# Altium PCB Version_2.PcbDoc (part 2 of 6) (continued)
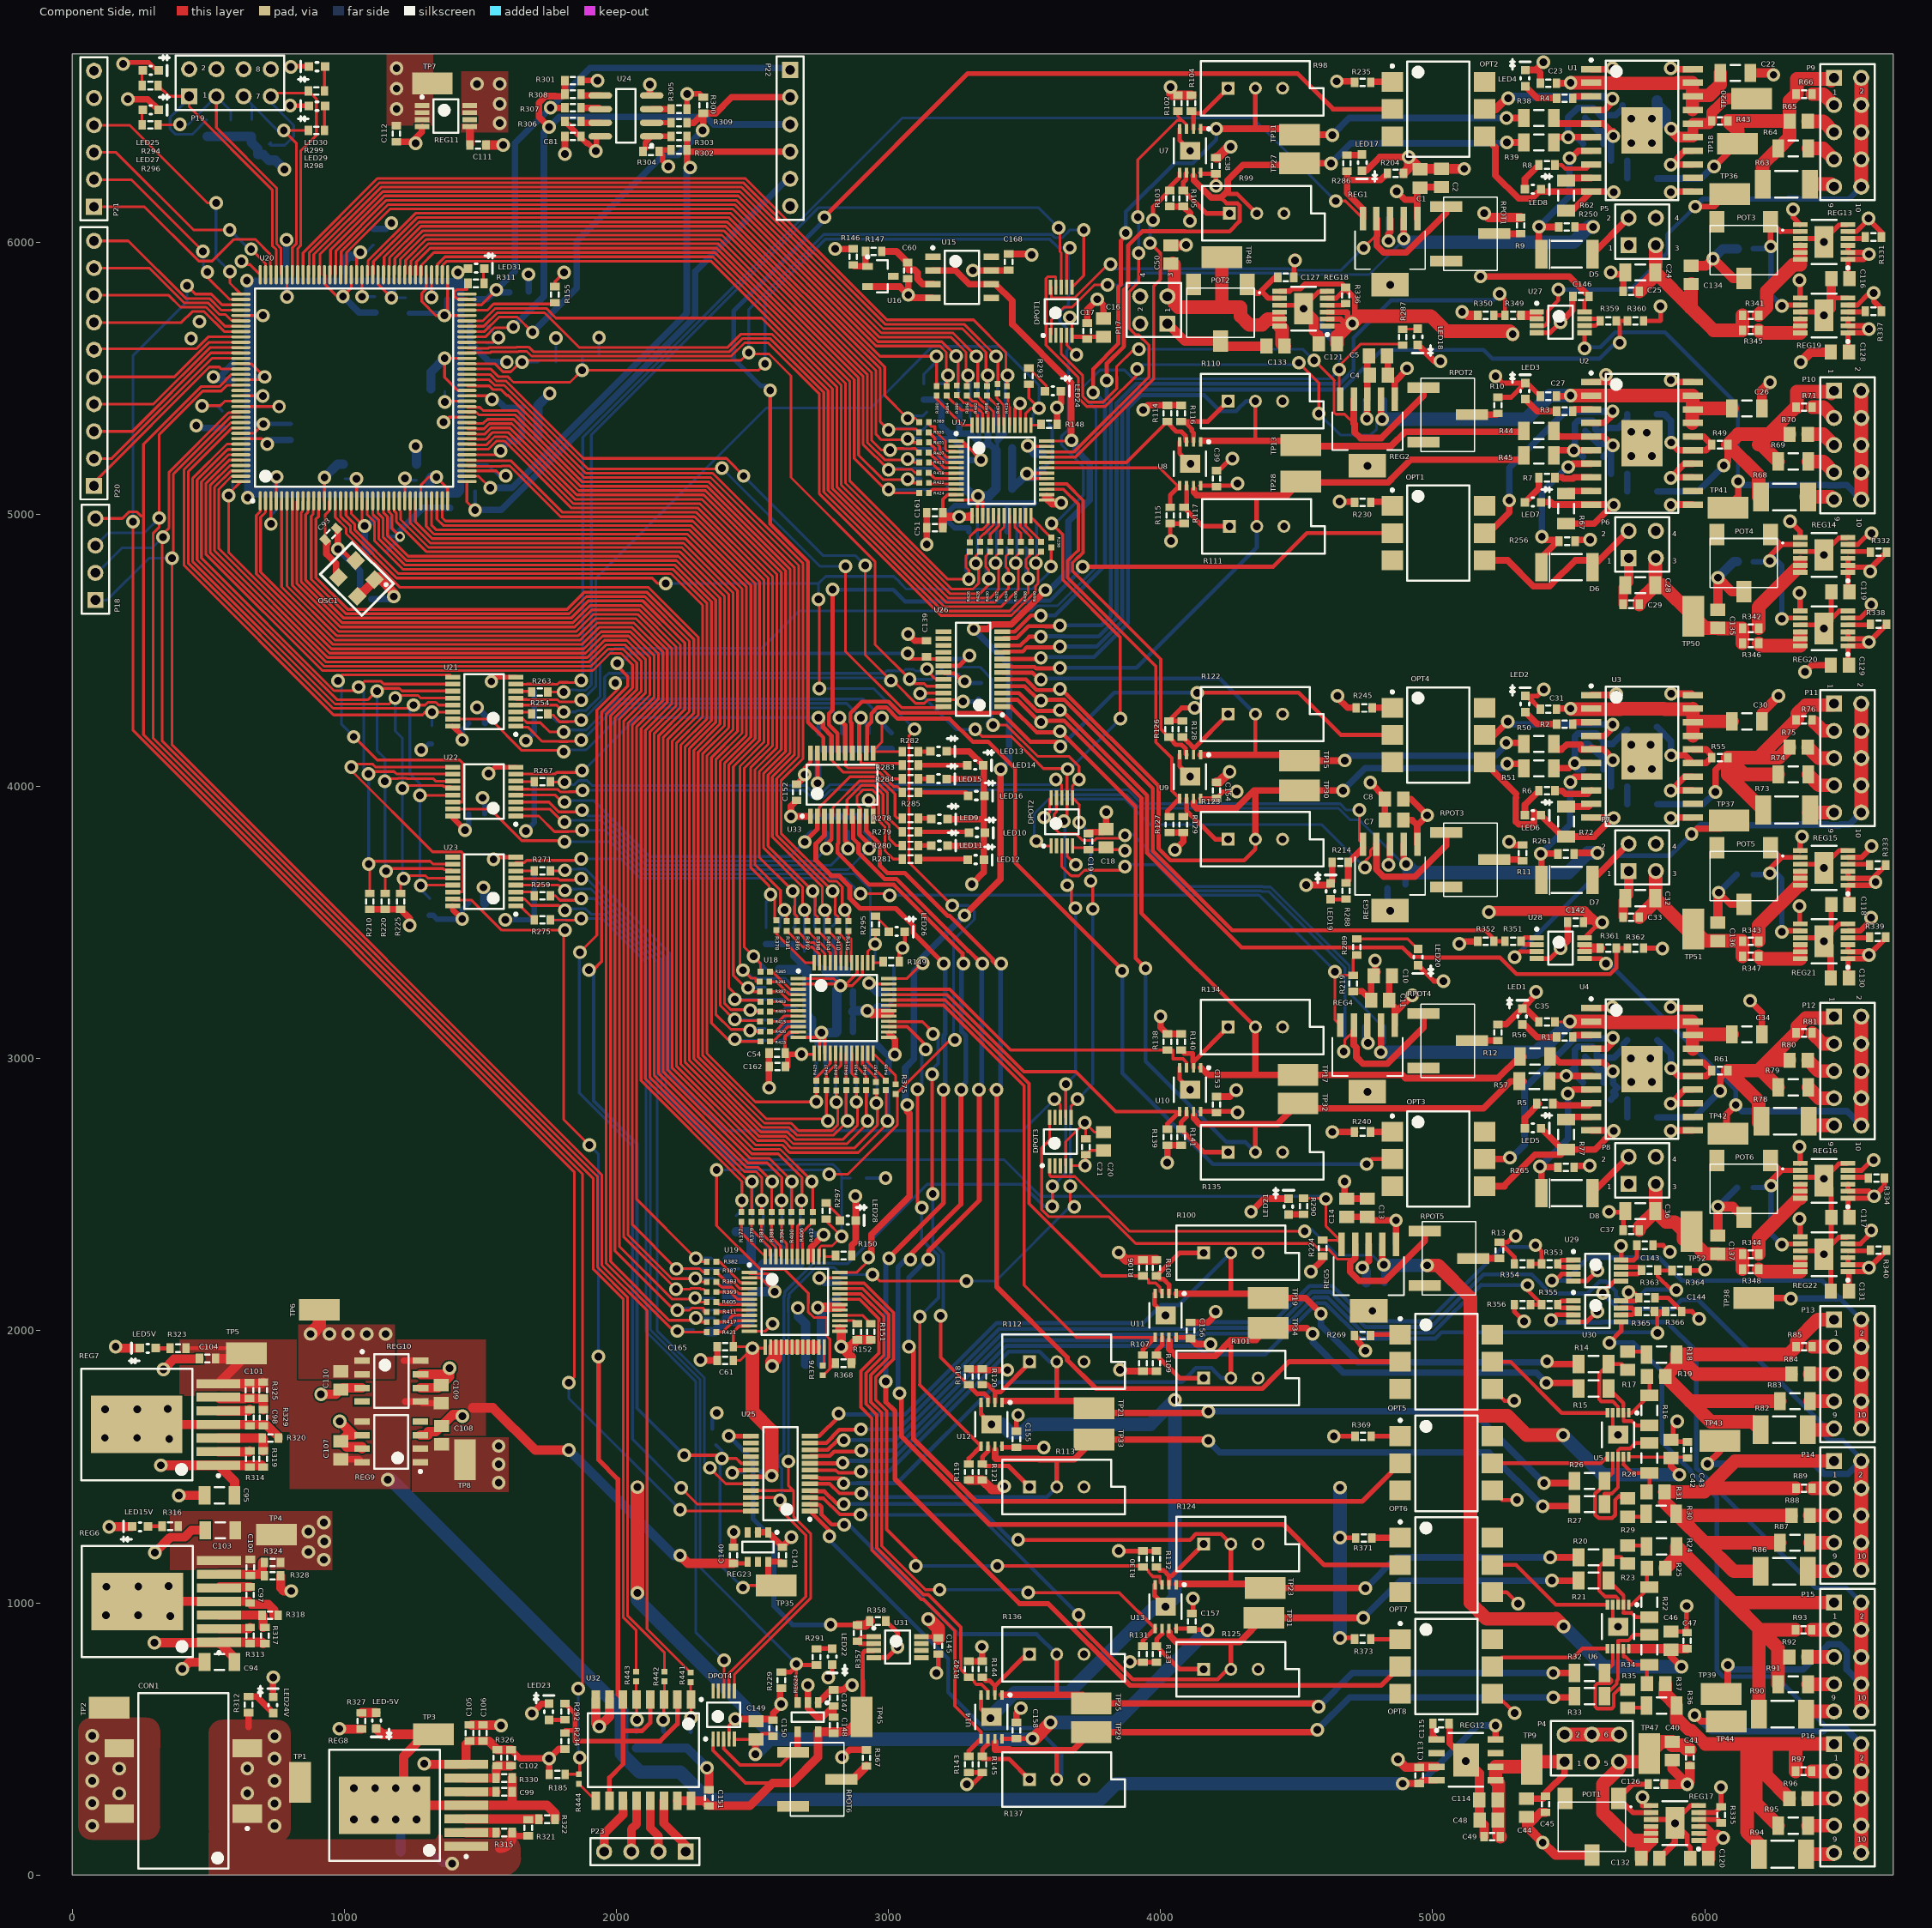
[diagram p0: Component Side view]
## Nets (pads, with @x,y where several pads share a name; then routed paths per layer and width w, separated by ;. In a path a pad name is that pad's centre, name@x,y a point inside that pad or via, vN(x,y) a via of type N, cw(c..) or ccw(c..) an arc to the next point about the centre after c; other vN are vias at no path point) (continued)
  Solder Side w24: C96.2@1317.76,85.96 1362.38,41.34 v1(1396.65,41.34)
  other v1: 743.23,180.33 743.23,262.83 643.23,300.33 743.23,345.33 643.23,391.76 743.23,427.83 743.23,510.33
-5V: C96.1 C99.1 C105.2 C106.2 C116.2 C117.2 C118.2 C119.2 C120.2 C121.2 C128.2 C129.2 C130.2 C131.2 LED-5V.2 R322.2 R330.1 R331.2 R332.2 R333.2 R334.2 R335.2 R336.2 R337.2 R338.2 R339.2 R340.2 REG8.4 REG8.8 REG13.1 REG13.2 REG13.3 REG13.5 REG13.7 REG14.1 REG14.2 REG14.3 REG14.5 REG14.7 REG15.1 REG15.2 REG15.3 REG15.5 REG15.7 REG16.1 REG16.2 REG16.3 REG16.5 REG16.7 REG17.1 REG17.2 REG17.3 REG17.5 REG17.7 REG18.1 REG18.2 REG18.3 REG18.5 REG18.7 REG19.1 REG19.2 REG19.3 REG19.5 REG19.7 REG20.1 REG20.2 REG20.3 REG20.5 REG20.7 REG21.1 REG21.2 REG21.3 REG21.5 REG21.7 REG22.1 REG22.2 REG22.3 REG22.5 REG22.7 TP3.1 | length 8431
  Component Side w18: REG18.5@4612.84,5794.35 4645.74,5794.35 R336.2@4680.12,5828.73 ; REG21.7@6348.55,3497.34 v1(6348.55,3560.96) ; REG22.5@6526.14,2319.35 6571.93,2319.35 v1@6612.2,2359.62 ; REG16.5@6526.14,2589.35 6576.99,2589.35 v1@6614.61,2626.97 ; REG20.5@6526.14,4619.35 6571.93,4619.35 v1@6612.2,4659.62 ; REG14.5@6526.14,4889.35 6562.6,4889.35 v1@6603.37,4930.12 ; REG19.5@6526.14,5769.35 6560.69,5769.35 v1@6604.33,5812.99 ; REG13.5@6526.14,6039.35 6558.18,6039.35 v1@6602.36,6083.53
  Component Side w19: v1(5770.67,285.43) 5770.67,255.53 5771.26,254.94 REG17.7@5802.64,254.94 ; REG17.2@5977.84,152.58 6033.62,152.58 ; REG17.3@5977.84,178.17 6008.03,178.17 6033.62,152.58 ; REG17.5@5977.84,229.35 6039.1,229.35 R335.2@6060.24,250.49 6060.24,321.65 v1(6060.04,321.85) ; v1@6045.24,140.96 6033.62,152.58
  Component Side w20: REG18.7@4437.64,5820.35 4474.28,5820.35 4483.96,5830.03 4514.76,5830.03 4531.19,5846.46 4667.32,5846.46 R336.2@4680.12,5833.66 4680.12,5828.73 4713.83,5795.01 v1@4713.83,5710.88 ; REG18.1@4612.84,5691.99 4686.95,5691.99 4661.36,5717.58 REG18.2@4612.84,5717.58 ; REG18.3@4612.84,5743.17 4685.97,5743.17 4686.95,5742.18 v1@4686.95,5701.77 ; v1(6313.98,4974.41) 6350.95,4937.44 REG14.7@6350.95,4923.23 ; v1(6324.8,6121.06) 6324.8,6091.08 REG13.7@6350.95,6064.94 ; REG22.7@6350.95,2344.94 v1@6350.95,2408.56 ; REG16.7@6350.95,2614.94 v1@6350.95,2673.56 ; REG15.7@6350.95,3764.94 v1@6350.95,3823.56 ; REG20.7@6350.95,4644.94 v1@6350.95,4708.56 ; REG19.7@6350.95,5794.94 v1@6350.95,5858.56 ; REG22.1@6526.14,2216.99 v1@6589.57,2216.99 ; REG22.3@6526.14,2268.17 REG22.2@6526.14,2242.58 6591.93,2242.58 v1(6603.55,2230.96) 6668.07,2295.49 R340.2@6668.07,2295.96 ; C117.2@6526.14,2421.83 REG16.1@6526.14,2486.99 v1@6615.92,2486.99 ; REG16.3@6526.14,2538.17 REG16.2@6526.14,2512.58 6604.55,2512.58 v1(6623.03,2494.09) 6660.43,2531.5 R334.2@6660.43,2561.02 ; C130.2@6526.14,3299.9 REG21.1@6526.14,3366.99 v1@6589.57,3366.99 ; REG21.3@6526.14,3418.17 REG21.2@6526.14,3392.58 v1@6591.93,3392.58 ; REG21.5@6526.14,3469.35 6571.93,3469.35 6611.22,3508.64 v1(6611.22,3517.72) ; C118.2@6526.14,3571.83 REG15.1@6526.14,3636.99 6616.32,3636.99 v1(6627.95,3648.62) ; REG15.3@6526.14,3687.76 REG15.2@6526.14,3662.58 6614,3662.58 v1(6627.95,3648.62) ; REG15.5@6526.14,3739.35 6576.93,3739.35 6613.19,3775.61 v1(6613.19,3781.5) ; C129.2@6526.14,4449.9 REG20.1@6526.14,4516.99 v1@6589.57,4516.99 ; REG20.3@6526.14,4568.17 REG20.2@6526.14,4542.58 v1@6591.93,4542.58 ; C119.2@6526.14,4721.83 REG14.2@6526.14,4812.58 ; REG14.3@6526.14,4838.17 REG14.2@6526.14,4812.58 ; C128.2@6526.14,5599.9 REG19.1@6526.14,5666.99 v1@6589.57,5666.99 ; REG19.3@6526.14,5718.17 REG19.2@6526.14,5692.58 v1@6591.93,5692.58 ; C116.2@6526.14,5871.83 REG13.1@6526.14,5936.99 6584.57,5936.99 ; REG13.3@6526.14,5988.17 REG13.2@6526.14,5962.58 v1@6596.93,5962.58 ; C131.2@6530.08,2145.96 REG22.1@6530.08,2213.05 ; v1@6602.36,6083.53 6649.61,6036.28 R331.2@6649.61,6018.7 ; v1@6603.37,4930.12 v1(6613.19,4930.12) ; v1(6603.55,3380.96) 6665.35,3442.77 R339.2@6665.35,3445.87 ; v1(6603.55,4530.96) 6668.07,4595.49 R338.2@6668.07,4595.96 ; v1@6612.2,2359.62 v1(6612.2,2369.09) ; v1@6612.2,4659.62 v1(6612.2,4669.29) ; v1(6621.06,5812.99) 6621.06,5783.44 6649.61,5754.9 R337.2@6649.61,5745.96 ; R333.2@6665.35,3710.63 6610.69,3655.96 6618.03,3648.62 v1(6627.95,3648.62) ; R332.2@6668.07,4860.96 6613.07,4805.96 6532.76,4805.96 REG14.2@6526.14,4812.58
  Component Side w35: LED-5V.2@1117.64,537.89 1138.59,516.95 TP3.1@1327.64,516.95 1298.44,516.95 1217.52,436.02 1217.52,325.84 REG8.8@1147.64,255.96 1745.02,255.96 1774.61,226.38 R322.2@1774.61,204.72 ; C105.2@1467.64,550.49 v1@1572.17,550.49 ; 1617.17,257.89 R330.1@1617.17,355.96
  Component Side w50: C121.2@4648.7,5625.96 4648.7,5653.74 v1@4686.95,5691.99 ; v1(4704.72,5701.77) 4713.83,5710.88 4731.64,5728.69 4992.79,5728.69 5048.14,5673.35 5283.35,5673.35 v1(5294.29,5662.4) ; C120.2@6013.7,60.96 6013.7,109.43 v1@6045.24,140.96
  Power w50: v1(5294.29,5662.4) 5307.21,5649.48 5518.12,5649.48 5576.2,5707.56 6283.58,5707.56
  Solder Side w35: C96.1@1207.52,85.96 1207.52,184.84
  other v1: 6067.91,135.83 1035.58,203.44 1112.25,203.44 1188.92,203.44 1265.58,203.44 1035.58,318.44 1113.19,318.44 1188.92,318.44 1265.58,318.44 1575.79,549.21 6348.55,2410.96 6621.06,2626.97 6348.55,2675.96 6357.59,3816.13 6348.55,4710.96 6608.27,4790.35 6603.55,5680.96 6348.55,5860.96 6603.55,5955.96 6602.36,6087.6
A1V: C44.2 C45.2 C48.2 C49.2 C114.1 P4.1 REG12.5 REG12.6 TP9.1 | length 746.9
  Component Side w24: C44.2@5345.24,280.33 5406.38,280.33 C45.2@5415.24,289.19 5415.24,302.24 5451.8,338.8 5453.21,338.8 5485.24,370.83 P4.1@5485.24,415.96
  Component Side w50: REG12.6@5231.14,388.78 REG12.5@5231.14,347.65 5242.13,336.67 5242.13,147.3 C49.2@5248.47,140.96 ; REG12.6@5231.14,397.65 5355.95,397.65 TP9.1@5364.25,405.96 5374.25,415.96 P4.1@5485.24,415.96
A3V3: C16.2 C17.2 C18.2 C19.2 C20.2 C21.2 C38.1 C39.1 C108.1 C149.2 C150.2 C153.1 C154.1 C155.1 C156.1 C157.1 C158.1 DPOT1.5 DPOT2.5 DPOT3.5 DPOT4.5 R230.1 R235.1 R240.1 R245.1 R269.1 R369.1 R371.1 R373.1 REG9.1 REG9.2 TP8.1 U7.8 U8.8 U9.8 U10.8 U11.8 U12.8 U13.8 U14.8 | length 5879.2
  Component Side w10: DPOT3.5@3671.38,2606.4 3722.34,2606.4 v1(3722.44,2606.3) 3725.24,2609.1 C21.2@3725.24,2646.43 3741.3,2662.5 C20.2@3790.24,2662.5 ; DPOT1.5@3674.61,5657.38 v1@3674.61,5723.09 ; DPOT2.5@3676.38,3781.4 3683.17,3774.61 3728.25,3774.61 C19.2@3735.24,3767.62 v1@3868.99,3767.62
  Component Side w12: DPOT4.5@2433.9,499.69 2435.56,498.03 C149.2@2512.8,498.03 2534.45,519.68 C150.2@2575.79,519.68
  Component Side w15: 3681.12,5652.46 C16.2@3790.24,5652.46
  Component Side w17: U14.8@3416.93,500.47 C158.1@3469.27,500.47 ; U12.8@3416.93,1575.47 3420.97,1571.43 C155.1@3470.24,1571.43 3570.55,1571.43 v1(3571.04,1570.94) v1@3570.96,1570.87 ; C158.1@3470.24,501.43 3529.08,501.43 v1(3529.53,500.98) ; U13.8@4056.93,905.47 C157.1@4111.2,905.47 ; U11.8@4056.93,1975.47 C156.1@4106.2,1975.47 ; C157.1@4115.24,901.43 4170.42,901.43 v1(4172.24,899.61) ; U10.8@4146.93,2805.47 4279.18,2805.47 v1(4282.48,2802.17) ; U9.8@4146.93,3955.47 4204.27,3955.47 4230.1,3981.3 v1(4279.53,3981.3) ; U8.8@4146.93,5105.47 4278.7,5105.47 4282.69,5109.46 v1(4282.69,5113.44) ; U7.8@4146.93,6255.47 4150.65,6251.75 C38.1@4203.54,6251.75 v1(4203.54,6206.89) ; v1(4636.81,1612.2) 4637.23,1612.63 R369.1@4715.71,1612.63 ; v1(4659.45,871.06) R373.1@4710.61,871.06 ; v1(4659.45,1240.16) 4660.31,1239.3 R371.1@4715.71,1239.3
  Component Side w24: v1(2510.83,443.9) C149.2@2510.83,496.06 ; C156.1@4106.2,1975.47 4130.79,1950.88 v1(4183.27,1950.88) ; v1(4630.91,2730.32) 4631.55,2730.96 R240.1@4715.71,2730.96 ; v1(4647.64,6591.54) 4712.07,6591.54 4715.02,6588.58 R235.1@4715.71,6589.27 ; v1(4649.83,4332.89) 4649.83,4326.54 4687.11,4289.27 R245.1@4715.71,4289.27 ; v1(4658.46,5047.24) 4659.75,5045.96 R230.1@4715.71,5045.96 ; R269.1@4712.6,1982.28 v1(4752.95,1926.18)
  Component Side w50: v1(2076.77,1036.42) v1(2076.77,1425.2) ; v1(3529.53,500.98) 3536.42,500.98 v1(3595.47,560.04)
  Solder Side w50: v1(2076.77,1036.42) 2076.77,1012.27 2493.01,596.03 2577.98,511.05 2565.89,498.96 ; v1(2510.83,443.9) 2565.89,498.96 ; v1(3529.53,500.98) 3527.51,498.96 2565.89,498.96 ; v1(3595.47,560.04) 3832.68,560.04 v1(4172.24,899.61) ; v1(4659.45,871.06) v1(4659.45,1240.16) v1(4659.45,1423.23)
  other v1: 1567.36,1441.32 1567.36,1508.82 1567.36,1576.32 3868.99,3763.38 3666.34,5724.41
ADJ: DPOT4.3 REG24.4 RPOT6.1 | length 417
  Component Side w12: DPOT4.3@2394.53,499.69 2394.53,463.91 2453.91,404.53 2602.77,404.53 RPOT6.1@2649.61,451.37
  Component Side w24: RPOT6.1@2649.61,451.37 2666.34,468.09 REG24.4@2666.34,526.57
BYP: C115.1 REG12.1 | length 64.1
  Component Side w24: C115.1@5000.71,555.96 5000.71,511.55 REG12.1@5014.61,497.65
CCLK: P22.1 R156.2 R157.2 R307.1 U20.70 | length 1993.6
  Component Side w10: U20.70@1450.67,5770.12 1504.16,5770.12 v1(1559.13,5825.09)
  Component Side w24: v1(1757.87,6494.09) 1757.93,6494.04 R307.1@1810.67,6494.04
  Solder Side w24: R156.2@1482.6,5791.06 1525.11,5791.06 v1(1559.13,5825.09) 1627.63,5893.59 1627.63,6363.85 v1(1757.87,6494.09) 1903.54,6639.76 2612.21,6639.76 P22.1@2622.05,6649.61 ; v1@1568.27,5815.95 R157.2@1607.28,5815.95
CLK: R238.2 R368.1 R375.2 R376.2 U20.16 | length 7268.5
  Component Side w10: U20.16@986.1,5049.65 986.1,4993.22 1022.83,4956.49 1022.83,4935.38 1192.54,4765.67 2131.72,4765.67 2151.1,4746.29 v1(2181.21,4746.29) ; v1(2368.11,2590.55) 2368.11,2386.02 2528.44,2225.69 2617.81,2225.69 2705.71,2137.8 2705.71,2101.08 2704.29,2099.66 2704.29,2069.84 2725.38,2048.75 2773.02,2048.75 2773.97,2047.8 2773.97,1979.17 2784.45,1968.69 2784.45,1860.24 ; v1(2742.26,4687.24) 2746.06,4683.43 v1(2746.06,4359.25) ; R376.2@2760.82,1836.61 2784.45,1860.24 ; v1(2781.66,2574.93) 2851.12,2574.93 3032.24,2756.05 R375.2@3032.24,2870.08 ; R368.1@2805.12,1880.91 2784.45,1860.24 ; R375.2@3026.57,2870.08 3028.35,2870.08 3226.34,3068.06 v1(3244.25,3068.06) ; v1(3095.62,4210.84) 3095.62,4207.83 3075.49,4187.69 3075.49,3720.35 3233.27,3562.57 v1(3234.67,3562.57) ; v1@3597.62,4826.79 v1(3597.62,4808.31) 3597.62,4878.13 R238.2@3598.24,4878.75
  Solder Side w10: v1(2181.21,4746.29) 2743.4,4746.29 2769.33,4772.22 3019.83,4772.22 3040.92,4751.13 3040.92,4749.72 3065.21,4725.43 3528.58,4725.43 3599.24,4796.09 3599.24,4803.32 v1@3600.39,4802.17 ; v1(2368.11,2590.55) 2765.75,2590.55 2779.66,2576.64 2779.66,2574.93 v1(2781.66,2574.93) ; v1(2742.26,4687.24) 2742.26,4745.15 ; v1(2746.06,4359.25) 2947.21,4359.25 v1(3095.62,4210.84) ; v1(3234.67,3562.57) 3294.44,3562.57 3315.53,3541.49 3315.53,3511.66 3238.86,3434.99 3238.86,3073.46 v1(3244.25,3068.06)
COMP1: C57.1 U17.35 | length 128.7
  Component Side w10: v1@3518.82,5249.54 U17.35@3581.58,5249.54
  Solder Side w35: v1(3511.81,5251.97) 3535.71,5228.07 3535.71,5225.49 C57.1@3565.24,5225.49
COMP2: C58.1 U18.35 | length 137.6
  Component Side w10: v1@2938.82,3274.54 U18.35@3001.58,3274.54
  Solder Side w35: v1(2928.64,3277.56) 2960.71,3245.49 C58.1@2990.24,3245.49
COMP3: C59.1 U19.35 | length 165.8
  Component Side w10: v1(2745.21,2194) 2745.21,2195.39 2751.59,2201.77 2758.82,2194.54 U19.35@2821.58,2194.54
  Solder Side w24: v1(2745.21,2194) 2764.02,2175.2 C59.1@2819.88,2175.2
CONFIG1: P19.1 R166.1 R294.1 U20.105 | length 1246.8
  Component Side w10: R294.1@315.87,6575.96 355.87,6535.96 P19.1@429.77,6535.96 429.77,6498.39 735.4,6192.76 735.4,5987.32 749.88,5972.84 U20.105@749.88,5880.35
  Solder Side w10: P19.1@429.77,6535.96 429.77,6514.13 422.24,6521.65 359.7,6459.11 359.7,6416.92 380.21,6396.42 440.71,6396.42 R166.1@494.09,6449.8
CONFIG2: P19.3 R171.1 R296.1 U20.104 | length 1137.6
  Component Side w10: R296.1@315.87,6430.96 403.4,6430.96 401.95,6432.42 v1(395.7,6432.42) ; P19.3@529.77,6535.96 529.77,6421.02 751.4,6199.39 751.4,5993.95 766.79,5978.56 766.79,5883.13 U20.104@769.57,5880.35
  Solder Side w10: v1(395.7,6432.42) 424.22,6432.42 425.22,6431.42 P19.3@529.77,6535.96 582.68,6483.05 R171.1@582.68,6448.82
CONFIG3: P19.5 R176.1 R298.1 U20.102 | length 902.3
  Component Side w10: U20.102@808.94,5880.35 808.94,5979.48 823.4,5993.95 823.4,6364.59 v1(777.56,6410.43) 777.03,6410.96 R298.1@868.27,6410.96
  Solder Side w10: P19.5@629.77,6535.96 660.43,6505.3 ; R176.1@660.43,6449.8 660.43,6505.3 ; v1(777.56,6410.43) 755.29,6410.43 660.43,6505.3
CONFIG4: P19.7 R181.1 R299.1 U20.101 | length 1154.8
  Component Side w10: P19.7@729.77,6535.96 742.03,6548.23 876.01,6548.23 896.99,6527.25 896.99,6392.63 839.4,6335.04 839.4,5987.32 828.62,5976.54 U20.101@828.62,5880.35
  Solder Side w10: R181.1@723.42,6360.24 729.77,6366.58 729.77,6356.3 781.5,6356.3 813.56,6388.36 813.56,6429.67 729.77,6513.46 P19.7@729.77,6535.96
D1V2: C82.1 C83.1 C84.1 C85.1 C112.1 REG11.1 REG11.2 REG11.3 TP7.1 U20.19 U20.28 U20.52 U20.89 U20.128 | length 569.7
  Component Side w10: U20.128@619.96,5435.47 v1(700.35,5435.47) ; U20.19@1045.16,5049.65 v1(1045.16,5130.79) ; v1(1064.84,5800.08) U20.89@1064.84,5880.35 ; U20.28@1222.32,5049.65 v1(1222.32,5131.77) ; v1@1372.48,5415.79 U20.52@1450.67,5415.79
  Solder Side w10: C83.1@1001.85,5130.79 v1(1045.16,5130.79) ; v1(1064.84,5800.08) C84.1@1112.09,5800.08 ; v1@1229.09,5125 C82.1@1265.75,5125 ; v1(1369.09,5412.4) C85.1@1369.09,5452.76
  other v1: 1191.93,6489.17 1191.93,6564.47 1191.93,6639.76
D3V3: C51.1 C52.1 C53.1 C54.1 C55.1 C56.1 C57.2 C58.2 C59.2 C61.1 C62.1 C63.1 C64.1 C65.1 C66.1 C67.1 C68.1 C69.1 C70.1 C71.1 C72.1 C73.1 C74.1 C75.1 C76.1 C77.1 C78.1 C79.1 C80.1 C81.2 C86.1 C87.1 C88.1 C89.1 C90.1 C91.1 C92.1 C110.1 C111.1 C152.2 C159.1 C160.1 C161.1 C162.1 C163.1 C164.1 C165.1 C166.1 C167.1 C168.1 C169.1 C170.1 LED31.1 OSC1.1 OSC1.4 P19.2 P19.4 P19.6 P19.8 P21.6 R146.2 R153.2 R154.2 R155.2 R156.1 R190.2 R195.2 R200.2 R215.2 R239.2 R244.2 R249.2 R255.2 R260.2 R264.2 R268.2 R272.2 R276.2 R300.1 R301.1 R302.1 R304.1 R305.1 R306.1 R310.2 REG10.1 REG10.2 REG11.5 REG11.7 REG11.8 TP6.1 U15.7 U17.11 U17.13 U17.29 U17.30 U18.11 U18.13 U18.29 U18.30 U19.11 U19.13 U19.29 U19.30 U20.4 U20.18 U20.20 U20.31 U20.36 U20.42 U20.53 U20.63 U20.76 U20.86 U20.90 U20.103 U20.122 U20.125 U20.129 U20.135 U21.16 U22.16 U23.16 U24.8 U25.19 U26.19 U33.20 | length 12004.9
  Component Side w10: v1(477.39,5398.89) 477.82,5399.32 544.05,5399.32 560.52,5415.79 U20.129@619.96,5415.79 ; U20.135@619.96,5297.68 668.74,5297.68 v1(702.76,5331.69) ; U20.125@619.96,5494.53 v1@701.34,5494.53 ; U20.122@619.96,5553.58 658.03,5553.58 v1(706.69,5504.92) ; v1(645,5061.73) v1@650.89,5061.73 ; U20.4@749.88,5049.65 v1@749.88,5136.69 ; v1(789.25,5799.33) U20.103@789.25,5880.35 ; U20.18@1025.47,5049.65 1025.47,5003.07 1071.61,4956.93 v1(1074.86,4956.93) ; v1@1064.84,4966.95 U20.20@1064.84,5049.65 ; U20.86@1123.9,5880.35 1123.9,5845.59 v1(1173.23,5796.26) ; U20.31@1281.38,5049.65 1281.38,5108.15 1310.04,5136.81 v1(1338.58,5136.81) 1379.8,5095.59 U20.36@1379.8,5049.65 ; v1@1320.75,5797.36 U20.76@1320.75,5880.35 ; U20.42@1450.67,5218.94 1559.49,5218.94 v1(1573.82,5233.27) ; U20.53@1450.67,5435.47 v1@1529.09,5435.47 ; U20.63@1450.67,5632.32 1549.65,5632.32 v1(1566.93,5649.61) ; C61.1@2429.77,1890.96 2455.24,1890.96 v1(2500.24,1935.96) U19.13@2543.31,1935.96 ; C165.1@2429.77,1940.96 v1@2495.24,1940.96 ; v1(2680.24,3015.96) U18.13@2723.31,3015.96
  Component Side w12: U20.90@1045.16,5880.35 v1@1045.16,5948.7 ; R155.2@1773.62,5836.61 1773.62,5854.33 v1(1808.07,5888.78) ; C165.1@2429.77,1940.96 2429.77,1995.71 2451.43,2017.38 U19.11@2488.9,2017.38 ; C54.1@2620.08,3020.67 2620.08,3080.71 2636.75,3097.38 U18.11@2668.9,3097.38 ; C161.1@3199.8,5005.91 3199.8,5055.02 3217.17,5072.38 U17.11@3248.9,5072.38 ; v1@3519.77,5131.43 U17.29@3581.58,5131.43 ; v1@3530.4,5151.12 U17.30@3581.58,5151.12
  Component Side w15: v1(2692.41,4043.81) 2692.41,4068.4 2713.58,4089.57 U33.20@2713.58,4123.03 ; U26.19@3204.61,4415.82 3243,4415.82 3272.86,4385.96 v1(3280.24,4385.96)
  Component Side w17: U25.19@2494.33,1462.52 v1@2565.86,1462.52
  Component Side w20: U23.16@1397.9,3561.02 1397.9,3547.97 v1(1433.07,3512.8) ; U22.16@1397.9,3891.6 1397.9,3885.57 v1(1443.9,3839.57) ; U21.16@1397.9,4222.17 1433.07,4186.99 v1(1433.07,4171.26) ; R306.1@1810.67,6444.04 1892.55,6362.16 ; R301.1@1869.72,6594.04 v1(1930.2,6594.04) ; 1894.58,6364.18 1915.26,6343.5 1927.17,6343.5 1927.17,6375.5 ; U24.8@1927.17,6389.04 U24.8@1940.71,6389.04 ; R304.1@2156.5,6333.66 2169.72,6320.43 2169.72,6299.51 2191.05,6278.18 v1(2191.05,6277.87) ; R304.1@2169.72,6339.04 R302.1@2200.67,6339.04 ; R305.1@2259.72,6489.04 v1(2259.72,6545.4) 2306.52,6545.4 R300.1@2318.97,6532.94 ; C162.1@2629.77,2970.96 2629.77,3010.96 2634.77,3015.96 v1(2680.24,3015.96)
  Component Side w24: C152.2@2662.4,4007.87 v1@2690.94,4036.42 ; v1@2815.71,5975.49 R146.2@2870.24,5975.49 ; v1(3310.24,5895.96) U15.7@3377.52,5895.96 C168.1@3434.77,5895.96
  Component Side w30: C111.1@1461.62,6357.28 REG11.5@1461.62,6419.9 ; C51.1@3199.77,4950.96 3199.77,4980.96 3209.77,4990.96 v1(3260.24,4990.96) 3295.99,4990.96 3299.66,4994.62
  Component Side w34: OSC1.4@1054.83,4713.87 1068.61,4713.87 1124.36,4769.62 v1@1182.08,4711.9
  Component Side w35: v1(2740.29,2084.75) 2741.7,2086.15 2823.82,2086.15 ; v1(2922.24,3175.2) 2929.58,3175.2 2939.53,3165.25 2940.53,3166.25 3003.88,3166.25
  Component Side w50: v1(876.38,1987.85) 908.46,2019.94 TP6.1@908.46,2076.77 ; v1(2500.24,1935.96) 2500.24,1702.52 2570.87,1631.89 v1(2570.87,1467.52)
  Solder Side w10: v1(477.39,5398.89) 531.76,5398.89 C71.1@551.44,5379.2 ; v1(1059.06,5962.6) 1079.72,5962.6 C70.1@1107.28,5990.16 ; v1(1173.23,5796.26) C69.1@1225.39,5796.26 ; C88.1@1521.65,5695.87 1540.35,5677.17 1539.37,5677.17 v1(1566.93,5649.61) 1546.26,5628.94 C87.1@1522.64,5628.94 ; R200.2@1777.56,5559.06 1777.56,5647.83 v1(1777.65,5647.91) v1@1777.65,5646.74 ; R190.2@1936.02,5585.63 v1(1936.02,5649.61)
  Solder Side w12: R249.2@2919.29,2561.02 v1(2989.17,2561.02) ; C58.2@2990.24,3186.43 3019.95,3216.15 3019.95,3340.28 R244.2@3018.7,3341.54 ; C57.2@3571.85,5166.34 3571.85,5171.9 3601.57,5201.61 3601.57,5319.63 R239.2@3590.24,5330.96
  Solder Side w15: v1@703.74,5332.68 C80.1@803.15,5332.68 ; v1@3285.71,4380.49 R195.2@3340.24,4380.49
  Solder Side w17: C169.1@2530.51,1482.28 v1@2556.1,1482.28 ; C170.1@3221.46,4409.45 3256.75,4409.45 v1(3280.24,4385.96)
  Solder Side w20: C79.1@649.49,5494.53 659.88,5504.92 v1(706.69,5504.92) ; R215.2@1312.01,3526.57 1326.77,3526.57 1340.55,3512.8 v1(1433.07,3512.8) 1433.07,3547.24 C66.1@1456.69,3570.87 ; v1(1433.07,4171.26) 1433.07,4207.68 C64.1@1457.68,4232.28 ; v1(1443.9,3839.57) 1456.69,3852.36 C65.1@1456.69,3899.61 ; v1(1591.54,3509.84) R276.2@1697.83,3509.84 R272.2@1697.83,3689.96 ; v1(1667.32,3836.61) 1697.83,3867.13 R268.2@1697.83,4017.72 ; v1(1667.32,4168.31) 1697.83,4198.82 R264.2@1697.83,4347.44 ; C164.1@2869.1,3148.01 2869.1,3172.24 C55.1@2869.1,3198.01
  Solder Side w24: 650.91,5331.69 v1(702.76,5331.69) ; v1(750.98,5137.8) 750.98,5085.35 C91.1@754.92,5081.42 ; v1(789.25,5799.33) C67.1@789.25,5850.83 ; C77.1@1095.47,4862.2 1074.86,4882.82 v1(1074.86,4956.93) 1084.89,4956.93 C76.1@1109.25,4981.3 ; C92.1@1099.33,4689.05 v1@1173.28,4689.05 ; v1(1320.87,5797.24) 1320.87,5850.71 ; v1(1542.32,5422.24) 1559.7,5422.24 1587.92,5394.02 ; v1@1561.67,5226.38 1604.65,5269.36 1635.5,5269.36 C86.1@1652.56,5286.42 C73.1@1652.56,5338.58 C75.1@1652.56,5390.75 1591.19,5390.75 ; C163.1@2869.1,3098.01 C164.1@2869.1,3148.01 ; C55.1@2869.1,3198.01 C56.1@2869.1,3248.01
  Solder Side w30: C52.1@3454.21,5243.91 C53.1@3454.21,5193.91 C160.1@3454.21,5143.91 C159.1@3454.21,5093.91 3496.26,5135.96 3534.77,5135.96 C57.2@3565.24,5166.43
  Solder Side w35: v1(645,5061.73) 648.94,5061.73 648.94,5852.09 999.02,5852.09 ; 666.65,5079.45 1313.98,5079.45 ; v1(1059.06,5962.6) 1045.02,5948.56 1016.43,5948.56 999.02,5931.15 999.02,5852.09 ; v1(1173.23,5796.26) 1173.23,5850.12 ; 1320.75,5850.83 1407.87,5850.83 ; 1320.75,5852.09 999.02,5852.09 ; v1(1338.58,5136.81) 1319.7,5136.81 1313.98,5131.09 1313.98,5079.45 ; v1@1414.15,5888.78 1417.39,5892.02 1417.39,5866.25 1420.34,5863.3 1416.34,5859.29 ; v1@1414.44,5889.07 v1(1417.39,5889.07) ; R310.2@1416.65,5079.45 1313.98,5079.45 ; R310.2@1423.54,5086.34 R153.2@1423.54,5182.8 R156.1@1423.54,5791.06 1423.54,5852.09 ; v1(2740.29,2084.75) 2770.98,2084.75 2774.77,2080.96 C59.2@2810.24,2116.43 ; C63.1@2753.98,1875.96 C62.1@2753.98,1925.96 C166.1@2753.98,1975.96 C167.1@2753.98,2025.96 v1@2753.98,2079.7 ; 2869.1,3172.24 2872.05,3175.2 v1(2922.24,3175.2) 2949.47,3175.2 2960.71,3186.43 C58.2@2990.24,3186.43
  other v1: 945.13,1987.85 1013.88,1987.85 1082.63,1987.85 1151.38,1987.85 1182.08,4697.85 3508.86,5149.61 437.03,5645.94 467.52,5708.66 641.73,5859.25 2804.13,5975.39 1924.21,6334.65 1570.87,6437.99 1570.87,6508.86 1488.19,6581.69 1570.87,6581.69
DEBUG1: P20.1 U20.123 | length 730.9
  Component Side w10: P20.1@80,5105 80,5117.41 503.78,5541.19 540.53,5541.19 547.82,5533.9 U20.123@619.96,5533.9
DEBUG2: P20.2 U20.121 | length 692.5
  Component Side w10: P20.2@80,5205 144.96,5205 513.23,5573.27 U20.121@619.96,5573.27
DEBUG3: P20.3 U20.120 | length 659.2
  Component Side w11: P20.3@80,5305 221.63,5305 509.58,5592.95 U20.120@619.96,5592.95
DEBUG4: P20.4 U20.119 | length 626
  Component Side w10: P20.4@80,5405 298.29,5405 505.93,5612.64 U20.119@619.96,5612.64
DEBUG5: P20.5 U20.118 | length 592.7
  Component Side w10: P20.5@80,5505 375.66,5505 502.99,5632.32 U20.118@619.96,5632.32
DEBUG6: P20.6 U20.117 | length 559.4
  Component Side w10: P20.6@80,5605 83.77,5608.77 456.81,5608.77 500.04,5652.01 U20.117@619.96,5652.01
DEBUG7: P20.7 U20.116 | length 587.1
  Component Side w10: P20.7@80,5705 400.88,5705 441.19,5745.31 485.04,5745.31 558.65,5671.69 U20.116@619.96,5671.69
DEBUG8: P20.8 U20.115 | length 587
  Component Side w10: P20.8@80,5805 354.45,5805 398.14,5761.31 491.67,5761.31 561.6,5691.38 U20.115@619.96,5691.38
DEBUG9: P20.9 U20.114 | length 620.3
  Component Side w10: P20.9@80,5905 283.27,5905 410.96,5777.31 498.29,5777.31 541.17,5734.43 562.84,5734.43 583.43,5713.84 617.18,5713.84 U20.114@619.96,5711.06
DEBUG10: P20.10 U20.112 | length 645.4
  Component Side w10: P20.10@80,6005 205.9,6005 417.59,5793.31 504.92,5793.31 547.8,5750.43 U20.112@619.96,5750.43
DIN: P22.2 R300.2 R309.1 U20.65 | length 1811.2
  Component Side w10: U20.65@1450.67,5671.69 1515.48,5671.69 1568.76,5724.98 1635.97,5724.98 v1@1691.66,5669.29
  Component Side w15: R309.1@2259.72,6439.04 R309.1@2270.61,6439.04
  Component Side w24: R309.1@2259.72,6439.04 2284.13,6439.04 R300.2@2318.97,6473.88 ; v1(2317.04,6410.75) 2318.97,6412.68 R300.2@2318.97,6473.88 ; P22.2@2638.78,6532.87 2423.62,6532.87 2364.63,6473.88 R300.2@2318.97,6473.88
  Solder Side w24: v1(1691.93,5669.29) 1854.33,5831.69 1854.33,6002.57 2172.8,6321.04 2226.55,6321.04 2316.26,6410.75 v1(2317.04,6410.75)
DONE: R311.2 U20.71 | length 138.1
  Component Side w10: U20.71@1450.67,5789.8 1450.67,5792.58 1414.14,5792.58 1404.24,5802.49 1404.24,5816.49 1414.14,5826.39 1450.67,5826.39 R311.2@1450.67,5842.83 ; R311.2@1450.67,5844.37 R311.2@1450.67,5842.83 ; R311.2@1452.28,5844.45 R311.2@1450.67,5842.83
EN1: R165.1 R278.1 U22.4 U33.2 | length 1814.1
  Component Side w10: U22.4@1630.18,3968.37 1775.73,3968.37 1801.35,3942.75 v1(1809.06,3942.75) ; U33.2@2744.76,3890.75 2744.76,3922.72 2858.01,4035.96 2960.13,4035.96 3023.96,3972.14 3023.96,3892.47 3033.3,3883.13 R278.1@3050.71,3883.13
  Component Side w17: v1(2691.93,3796.26) 2739.17,3843.5 U33.2@2739.17,3890.75
  Solder Side w10: v1@1814.06,3947.75 1815.06,3948.75 1915.64,3948.75 2121.98,3742.4 2638.07,3742.4 v1(2691.93,3796.26)
  Solder Side w18: v1@2695.03,3811.62 R165.1@2716.03,3832.62
EN2: R169.1 R279.1 U22.3 U33.4 | length 1915.1
  Component Side w10: U22.3@1630.18,3942.78 1752.11,3942.78 1788.13,3906.75 1873.06,3906.75 v1@1879.06,3912.75 ; U33.4@2796.09,3890.75 2796.09,3922.86 2893.19,4019.96 2953.51,4019.96 2995.9,3977.57 2995.9,3887.94 R279.1@3050.71,3833.13
  Component Side w15: v1@2782.64,3781.76 v1(2773.03,3772.14) 2773.03,3788.77 2790.35,3806.1 U33.4@2790.35,3890.75
  Solder Side w10: v1(1874.06,3912.75) 1895.06,3891.75 1950.01,3891.75 2115.35,3726.4 2727.28,3726.4 v1(2773.03,3772.14)
  Solder Side w18: v1(2773.03,3772.14) R169.1@2773.03,3829.62
EN3: R174.1 R280.1 U22.2 U33.6 | length 1981.6
  Component Side w10: U22.2@1630.18,3917.19 1755.07,3917.19 1802.51,3869.75 v1(1809.06,3869.75) ; U33.6@2841.54,3890.75 2847.27,3896.48 2847.27,3950.38 2879.05,3982.16 2900.85,4003.96 2946.88,4003.96 2979.9,3970.94 2979.9,3881.31 3003.03,3858.19 3003.03,3807.09 3026.98,3783.13 R280.1@3050.71,3783.13
  Component Side w18: U33.6@2841.54,3890.75 2841.54,3800.2 2851.03,3790.71 v1(2851.03,3772.14)
  Solder Side w10: v1(1809.06,3869.75) 1815.06,3875.75 1943.38,3875.75 2108.73,3710.4 2789.28,3710.4 v1(2851.03,3772.14)
  Solder Side w18: v1(2851.03,3772.14) R174.1@2851.03,3832.62
EN4: R179.1 R281.1 U22.1 U33.8 | length 2094.4
  Component Side w10: U22.1@1630.18,3891.6 1714.7,3891.6 1772.55,3833.75 1823.97,3833.75 1824.97,3834.75 v1@1874.06,3834.75 ; U33.8@2892.72,3890.75 2898.45,3885.02 2898.45,3918.75 2884.42,3932.78 2884.42,3964.91 2907.48,3987.96 2940.25,3987.96 2963.9,3964.32 2963.9,3882.46 2963.76,3882.32 2963.76,3874.83 2987.03,3851.56 2987.03,3763.78 3017.68,3733.13 R281.1@3050.71,3733.13
  Component Side w18: U33.8@2892.72,3890.75 2892.72,3823.82 2929.03,3787.51 v1(2929.03,3772.14)
  Solder Side w10: v1(1874.06,3839.75) 1956.75,3839.75 2102.1,3694.4 2851.28,3694.4 v1(2929.03,3772.14)
  Solder Side w18: R179.1@2916.03,3832.62 2929.03,3819.62 v1(2929.03,3772.14)
EN5: R184.1 R282.1 U21.2 U33.11 | length 1737.8
  Component Side w10: U21.2@1630.18,4247.76 1657.75,4247.76 1671.26,4234.25 1720.47,4234.25 1753.94,4200.79 v1(1806.1,4200.79) ; U33.11@2945.01,4132.11 2976.03,4163.13 v1(2976.03,4252.14) ; U33.11@2948.99,4128.13 R282.1@3050.71,4128.13
  Solder Side w10: v1@1814.1,4208.79 1815.1,4207.79 1889.6,4207.79 2002.94,4321.13 2907.04,4321.13 v1(2976.03,4252.14)
  Solder Side w18: v1(2976.03,4252.14) 2976.03,4231.67 R184.1@3011.03,4196.67
EN5V: R319.2 R320.1 REG7.3 | length 210
  Component Side w35: REG7.3@537.4,1605.51 698.62,1605.51 R320.1@698.82,1605.32 701.77,1602.36 R319.2@701.77,1558.07
EN6: R189.1 R283.1 U21.1 U33.13 | length 1760.1
  Component Side w10: U21.1@1630.18,4222.17 1634.1,4218.25 1674.54,4218.25 1727.01,4165.79 1790.19,4165.79 1791.19,4164.79 1821.01,4164.79 1822.01,4165.79 v1@1871.1,4165.79 ; U33.13@2892.72,4123.03 2898.45,4117.3 2898.45,4084.47 3044.37,4084.47 R283.1@3050.71,4078.13
  Component Side w15: U33.13@2892.72,4123.03 2892.72,4247.05 v1(2898.62,4252.95)
  Solder Side w10: v1@1876.1,4170.79 2010.44,4305.13 2846.45,4305.13 v1(2898.62,4252.95)
  Solder Side w18: v1@2898.03,4252.14 2926.03,4224.14 R189.1@2926.03,4196.67
  other v1: 1871.1,4170.79